# KiCad board Amber.kicad_pcb (continued)
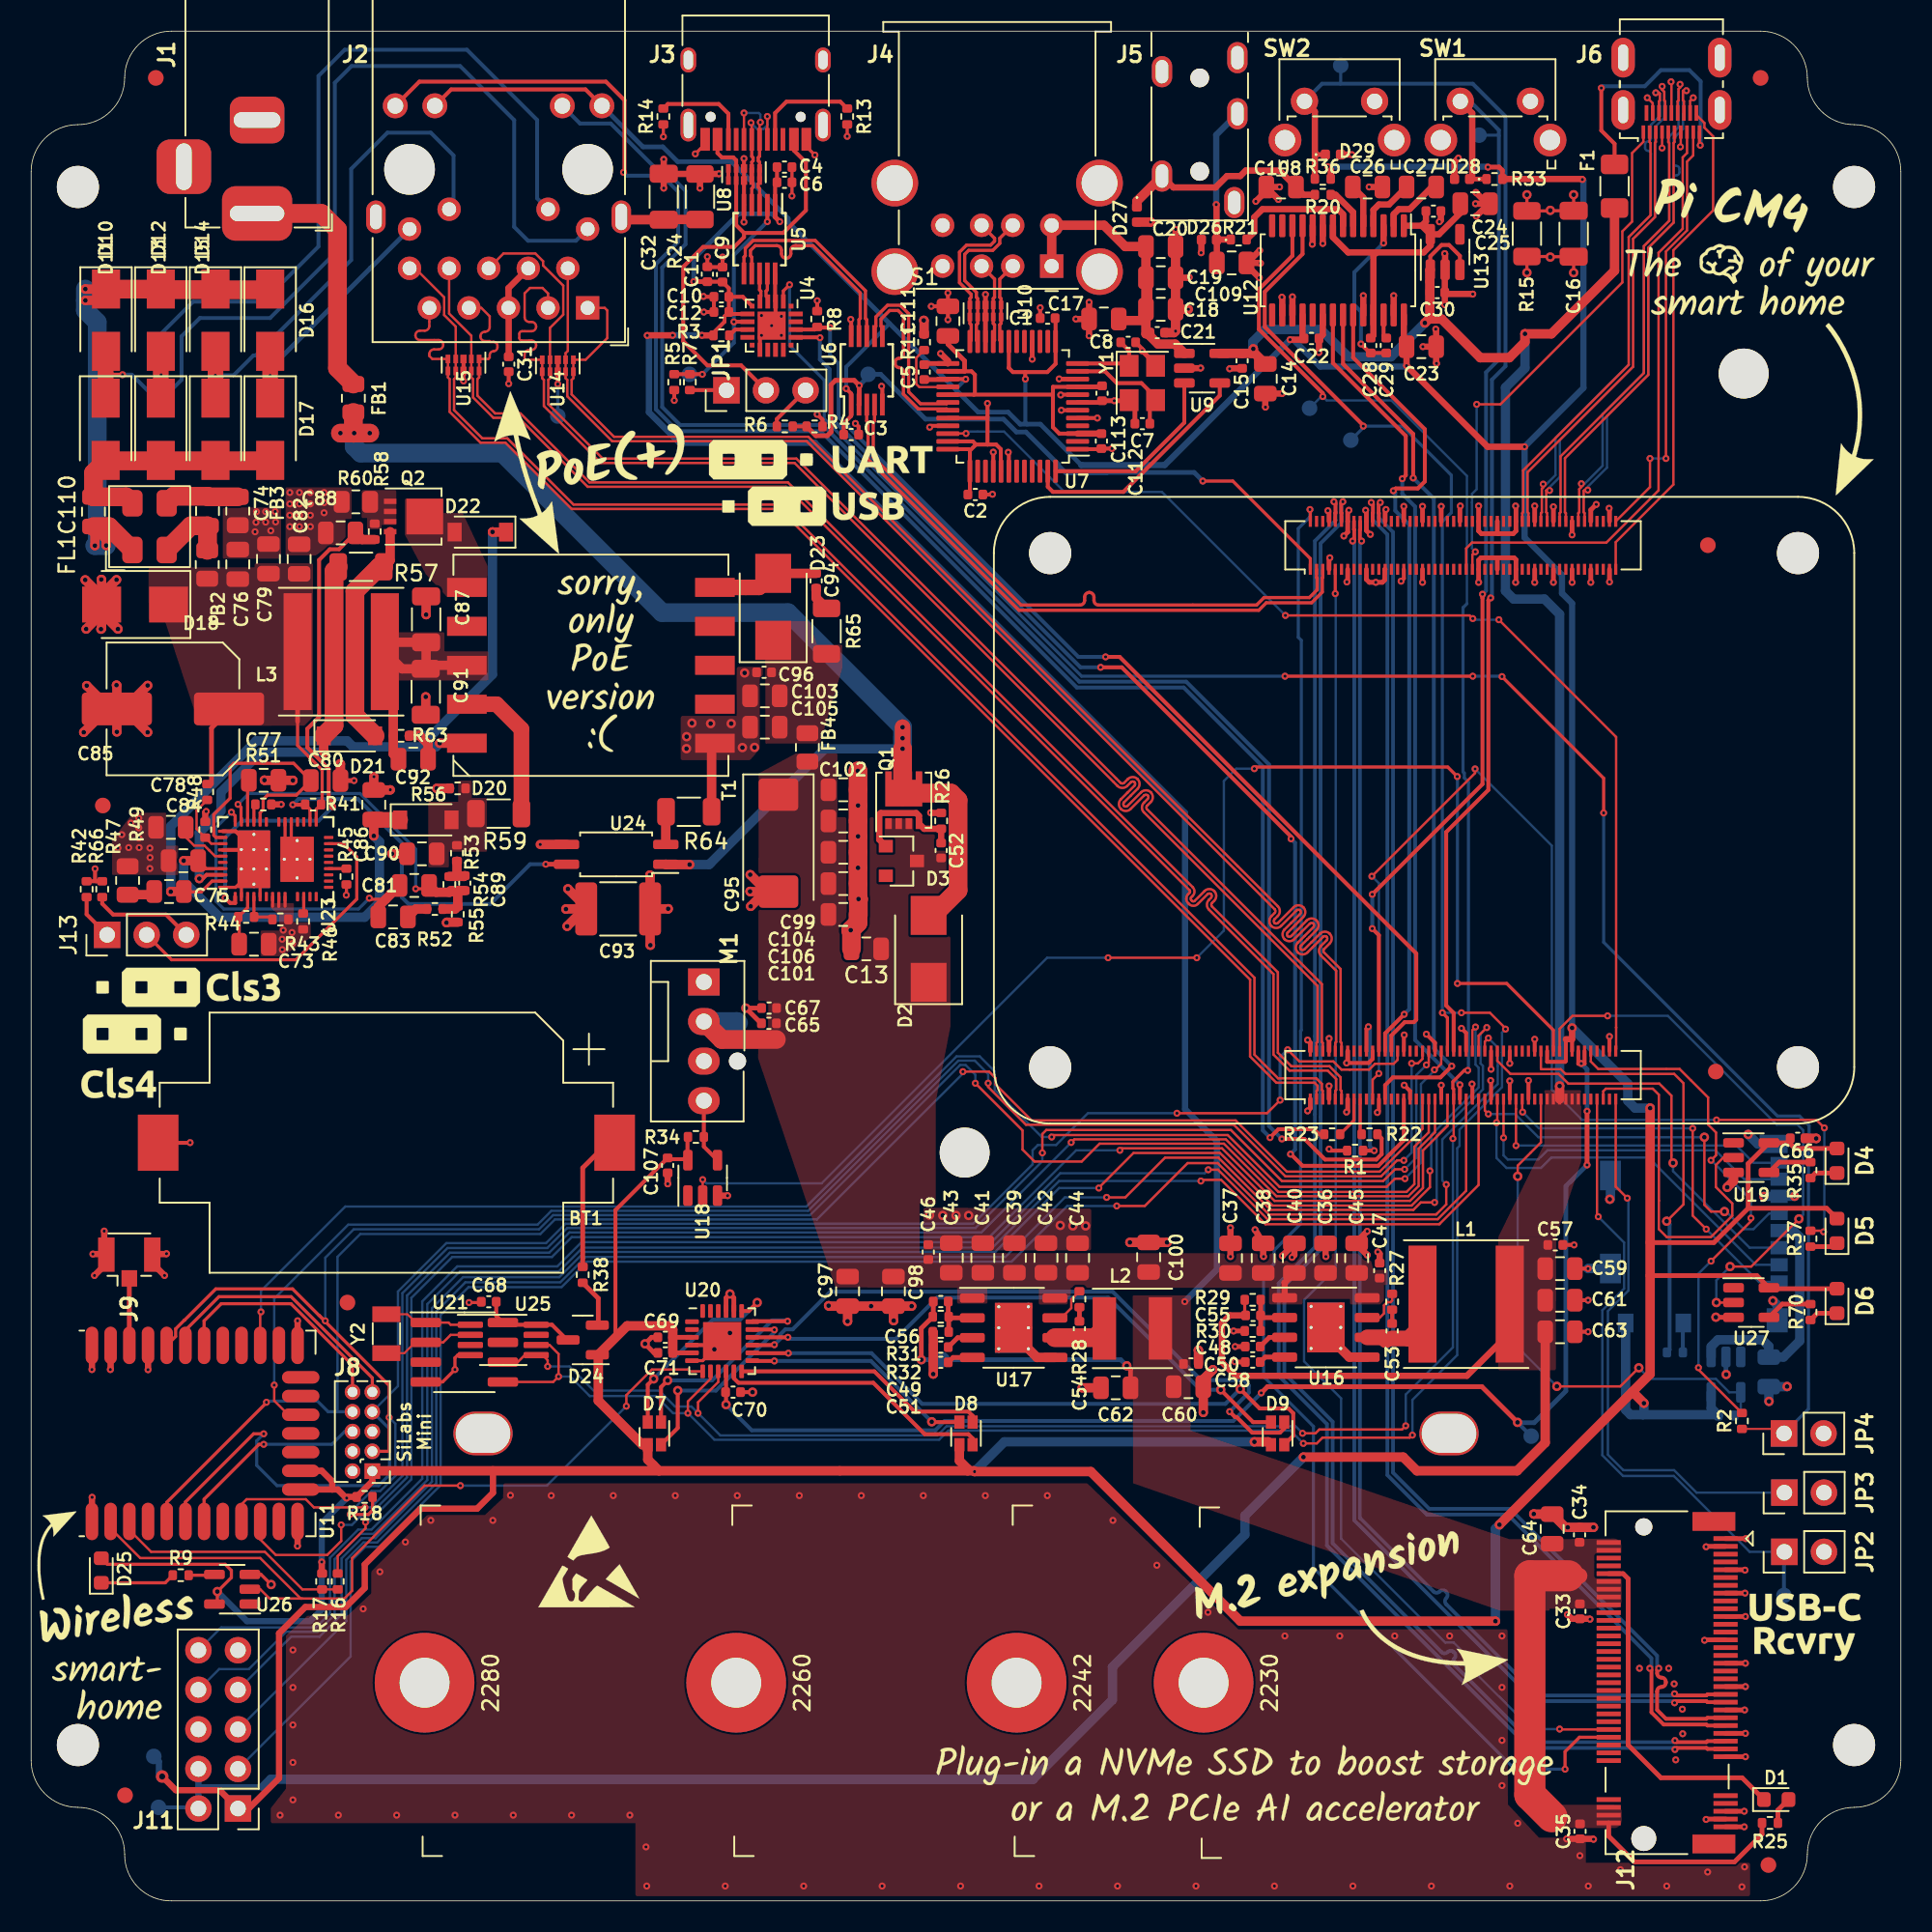
[diagram p0: board, top side]
## Routing (per net, layer and track width the routed paths; a pad name or vN(x,y) marks a point on that pad's centre or on a via; arc(x,y) is an arc through that point) (continued)
+3V3: length 517.2
  Top w0.2: U26.5 11.95,19.24 v1(11.95,19.85) 12.85,20.75 12.85,21.2 12.45,21.6 4.89,21.6 D25.2
  Top w0.25: 36.4,35.05 37.5,36.15 37.5,44.33 C107.1 ; v2(63.81,97.67) 63.8,97.68 63.8,98.12 ; R34.2 42.12,49 42.12,47.85 41.88,47.6 40.85,47.6 ; 63.8,98.12 65.22,98.12 65.75,98.65 U7.13 65.75,101.55 C1.1 ; 63.8,98.12 63.01,98.12 62.74,98.39 62.75,98.4 U7.19 ; U7.32 61.31,95.17 61.38,95.24 ; v2(59.98,97.66) 59.97,97.67 U7.27 ; 61.38,93.47 61.93,93.47 62.23,93.17 62.23,91.77 U7.41 ; 61.38,93.47 60.64,93.47 ; 61.38,93.47 61.38,95.24 ; J2.17 26.96,116.26 35.58,116.26 J2.15 ; C3.1 52.15,94.82 52.63,95.3 U6.1 52.63,96.74 v2(52.31,97.06) ; C2.1 60.25,90.39 U7.37 60.25,93.08 ; 60.64,93.47 60.25,93.08 ; 60.64,93.47 60.44,93.67 U7.35 ; 61.38,95.24 v2(61.38,96.11) ; U7.36 60.16,93.17 60.25,93.08 ; 98.5,55.3 U1.84 98.5,53.9 98.45,53.85 97.3,53.85 U1.78 ; 98.9,55.3 U1.86
  Top w0.3: 112.84,48.65 113.21,48.29 D4.2 ; 112.84,48.65 112.9,48.7 C66.1 ; 112.84,48.65 U19.5 110.2,47.31 110.2,44.45 ; 110.2,44.45 115.24,44.45 D5.2 ; 110.2,44.45 108,42.25 103.91,42.25 ; v2(93.5,111.28) 94.22,111.28 94.43,111.06 R33.2 ; 103.91,40.13 110.76,40.13 U27.5 111.6,39.29 D6.2 ; C69.1 U20.3 ; C71.1 U20.5 ; C5.1 58.81,97.64 U7.27
  Top w0.4: 29.64,27.6 29.64,26.19 28.62,25.17 24.99,25.17 21.41,21.59 21.41,20.08 20.19,18.86 17.6,18.86 15.91,17.17 15.91,7.87 13.97,5.93 J11.1 12.1,7.1 9.29,7.1 v3(8.41,7.98) ; R17.2 18.65,21.03 v2(18.65,21.75) ; 19.33,26.4 19.33,26.92 18.65,27.6 U11.14 ; 19.33,26.4 U11.13 ; 19.33,26.4 19.67,26.4 20.23,25.85 v2(20.25,25.85) 20.33,25.92 R18.2 21.9,26.93 J8.1 ; v2(99.56,110.48) 99.53,110.51 R33.2 ; U12.18 81.6,100.37 C22.1 81.62,100.2 v2(80.8,100.2) ; v2(83.22,111.3) 83.41,111.12 R36.2 ; v1(98.9,56.03) 98.9,55.3 98.5,55.3 ; v2(95.85,93.33) 93.47,93.33 v2(88.28,98.53) 88.28,99.75 88.1,99.92 U12.28
  Top w0.6: D8.4 59.58,28.25 60.1,27.72 60.1,27.6 ; 102.75,32.65 102.8,32.65 v1(103.51,31.94) ; 102.75,32.65 103.91,33.81 v1(103.91,50.88) ; 102.75,32.65 v1(94.24,24.14) ; D9.4 79.39,29.46 v1(78.51,29.46) ; 40.3,27.6 60.1,27.6 ; 40.3,27.6 39.58,28.33 D7.4 39.22,29.28 36.4,32.1 36.4,35.05 38.26,36.91 40.94,36.91 41.18,36.67 C69.1 C71.1 ; 40.3,27.6 21.91,27.6 J8.1 ; 60.1,27.6 60.5,27.6 v2(60.55,27.55) 68.01,27.55 77.61,17.95 v1(93.98,17.95)
  Bottom w0.25: v2(52.31,97.06) 52.31,98.45 55.1,101.24 ; 61.47,95.55 61.38,95.64 v2(61.38,96.11) ; 59.35,96.98 59.35,97.03 v2(59.98,97.66) ; 63.92,94.78 63.81,94.89 v2(63.81,97.67)
  Bottom w0.3: 67.4,92.15 64.78,94.78 63.47,94.78 62.7,95.55 60.78,95.55 48.58,107.75 48.58,107.98 44.94,111.62 41.49,111.62 40.54,112.58 39.27,112.58 J2.15
  Bottom w0.4: v2(20.25,25.85) 18.65,24.25 v2(18.65,21.75) 18.65,18.7 17.9,17.95 13.85,17.95 v1(11.95,19.85) ; 67.4,92.15 67.4,92.15 72.75,92.15 v2(80.8,100.2) 81.01,100.2 82.74,98.47 88.22,98.47 v2(88.28,98.53) ; v2(83.22,111.3) 93.47,111.3 v2(93.5,111.28) ; v1(98.9,56.03) 98.9,83.28 98.25,83.92 98.25,85.1 95.85,87.5 v2(95.85,93.33) 99.63,97.1 99.63,110.41 v2(99.56,110.48) ; TP6.1 8.2,8.94 8.2,8.19 v3(8.41,7.98)
  Bottom w0.6: v1(94.24,24.14) 93.98,23.88 v1(93.98,17.95) ; 103.45,31.2 102.65,31.2 102.34,31.51 102.34,37.08 ; 103.45,31.2 103.51,31.26 v1(103.51,31.94) ; 103.45,31.2 108.24,31.2 R40.1 107.82,31.61 107.82,32.64 ; v1(78.51,29.46) 62.46,29.46 v2(60.55,27.55) ; v1(98.9,56.03) 102.47,52.45 102.47,51.35 102.94,50.88 v1(103.91,50.88)
+5V: length 232.6
  Top w0.2: C55.1 77.89,37.63 R29.2
  Top w0.25: U13.3 91.7,105.58 91,106.28 90.53,106.28 89.8,105.55 U13.1
  Top w0.4: 95.05,36.6 92.15,33.7 77.3,33.7 76.42,34.58 76.42,37.08 76.92,37.58 C55.1
  Top w0.6: U9.5 C15.2 78.35,99.32 78.44,99.41 ; 78.44,99.41 v1(78.44,99.61) ; 78.44,99.41 C14.2 ; v1(81.66,28.48) 88.06,28.48 88.94,27.6 95.37,27.6 97.17,29.41 C63.1 ; F1.1 101.62,104.62 97.58,100.58 v1(95.88,100.58) 95.88,100.05 94.87,99.04 93.01,99.04 90.52,101.53 89.7,101.53 ; U1.81 v1(98.1,52.3) ; v1(89.45,101.28) 89.77,101.59 89.77,104.66 U13.1
  Bottom w0.25: J11.2 10.66,6 TP9.1
  Bottom w0.4: 10.73,7.24 10.79,7.29 14.87,7.29 14.91,7.33 ; 10.73,7.24 J11.4 ; 10.73,7.24 J11.2
  Bottom w0.6: 14.91,7.33 15.38,7.8 64.3,7.8 69.4,12.9 69.4,15 77.9,23.5 77.9,24.72 v1(81.66,28.48) ; v1(95.88,100.58) 95.88,98.38 94.62,97.12 94.62,84.08 95.15,83.55 97.12,83.55 98.1,82.58 v1(98.1,52.3) ; v1(78.44,99.61) 78.41,99.64 78.41,100.06 79.2,100.85 82.77,100.85 84.53,99.1 87.28,99.1 v1(89.45,101.28)
+12V: length 9.2
  Top w0.4: U16.1 80.45,39.67 C40.1
  Top w1.2: 43.17,56.44 44.33,55.28 47.83,55.28
  Bottom w1.2: 43.17,56.44 45.31,56.44 TP8.1
+48V: length 21.8
  Top w0.2: L3.1 17.1,74.16 18.68,72.58 18.68,70.43 R41.1 18.3,70.05 U23.23
  Top w0.3: 17.1,75.7 L3.1 ; 11.58,71.68 11.58,75.28 12.98,76.67
/PoE/VCC: length 25.1
  Top w0.2: C84.1 11.23,66.25 U23.42
  Top w0.6: C86.1 v1(21.99,68.35) ; v1(9.79,66.76) C84.1
  Top w1: D20.1 22.01,69.38 C86.1
  Bottom w0.6: v1(9.79,66.76) 9.79,65.43 12.09,63.13 21.4,63.13 22.36,64.09 22.36,67.98 v1(21.99,68.35)
/USB/VBUS_{IN}: length 32.9
  Top w0.25: JP1.2 45.56,98.55 43.4,98.55 41.85,100.1 41.85,104.88 43.12,106.15 45.12,106.15 45.75,106.78 45.75,107.05 ; 45.75,107.05 45.25,107.55 U8.7 U8.4 45.25,111.71 45.06,111.9 44.33,111.9 44.05,112.17 J3.A9 ; 45.75,107.05 48.28,107.05 49.72,108.5 49.72,111.58 48.95,112.35 J3.A4
/USB/VBUS_{OUT}: length 23.4
  Top w0.4: C19.1 71.77,103.95 71.77,102.7 71.51,102.44 71.51,101.42
  Top w0.6: C18.1 71.55,100.58 71.62,100.65 C21.1 71.8,100.45 72.34,99.91 73.42,99.91 U9.1 ; C17.1 69.9,101.42 71.51,101.42 71.55,101.46 C19.1 C20.1 70.22,106.17 68.86,107.54 J4.5 J4.1
GND: length 341.2
  Top w0.15: J6.4 104.07,115.38 v2(103.72,115.72) ; v2(106.68,115.72) 106.47,115.53 J6.16 ; J6.13 105.88,112.6 v2(105.85,112.58) ; J6.7 v2(104.68,112.5) ; J6.10 105.28,116.72 v2(105.25,116.75)
  Top w0.2: U20.6 43.1,34.67 U20.25 ; U26.3 14.75,20.95 v1(15.4,20.3) ; v1(99,104.5) C16.2 97.53,105.53 v1(97.5,105.5) 97.46,105.54 R15.1 v1(96,104.5) ; J3.A1 49.75,112.6 v2(50.3,112.05) ; R14.1 v2(40.58,113.22) ; v2(48.83,109.42) 48.83,109.43 C6.2 C4.2 ; v2(42.62,112.12) 43.25,112.75 J3.A12 ; v2(28.1,38.4) 28.84,38.4 C68.2 ; U25.4 27.38,35.03 27.2,34.85 v2(27.2,34.1) 26.41,33.31 24.8,33.31 ; R13.1 v2(52.38,113.25)
  Top w0.25: C111.1 v2(58.84,103.2) ; C111.1 v2(57.77,102.34) ; C111.1 v2(58.84,101.48) ; v2(91.8,56) 92.1,55.7 U1.52 ; C59.2 v2(99.93,40.58) ; C2.2 61.68,90.26 v2(61.7,90.28) ; v2(85.35,99.92) 85.93,99.34 86.97,99.34 ; U1.71 v2(96.1,52.65) ; U7.5 v2(68.43,95.17) ; C63.2 v2(99.93,36.53) ; U7.1 68.65,93.17 C112.1 v2(69.37,93.21) ; v2(57.67,94.58) 57.76,94.67 U7.33 ; C61.2 v2(99.93,38.55) ; v2(87.92,84.7) 88.1,84.88 U1.131 ; v2(93.67,52.65) 93.7,52.62 U1.59 ; 7.69,48.65 10.19,48.65 v2(10.2,48.67) ; v2(52.6,101.5) 52.63,101.47 U6.10 ; v2(27.75,97.55) U15.8 U15.3 ; C1.2 v2(64.76,102.25) ; R8.1 v2(50.45,102.7) ; v2(45.75,107.75) U5.5 U8.8 U8.3 v2(45.75,111.83) ; U1.32 88.1,55.55 v2(88.12,55.58) ; v2(83.3,48.25) 83.4,48.15 R1.1 ; v2(86.4,50.6) 86.5,50.7 U1.23 ; C8.2 71.31,99.61 v2(71.31,99.48) ; U1.22 86.1,54.04 85.84,53.78 v2(84.42,53.78) ; U1.66 v2(94.9,53.75) ; v2(33.8,97.35) U14.8 U14.3 ; U7.8 66.1,96.67 v2(66.08,96.65) ; v2(54.58,97.21) 54.63,97.16 U6.5 ; U1.98 v2(101.3,55.47) ; U7.42 62.75,92.93 v2(62.71,92.97) ; v2(92.47,52.42) 92.5,52.4 U1.53 ; U7.6 v2(66.12,95.67) ; U1.33 88.5,51.97 v2(88.12,52.35) ; v2(50.45,95.41) 50.79,95.07 R4.2 ; v2(89.55,55.62) 90.1,55.07 U1.42 ; U1.65 v2(94.9,52.62) ; U1.43 v2(90.5,52.35) ; v2(43.17,101.97) C12.2 C10.2 43.17,102.95 v2(43.15,102.97) ; U5.10 47.75,102.67 U4.3 47.78,101.35 v2(47.53,101.1) ; U7.40 v2(61.75,92.98) ; v2(46.88,100.47) 46.78,100.38 U4.12 ; v1(46.3,32.65) C70.2 ; v2(52.9,94.82) 53.11,94.61 C3.2 ; U20.4 44.1,35.67 U20.25 ; C31.1 v2(30.65,97.38) ; U1.60 v2(93.7,53.38) ; v2(44.38,105.5) C9.2 43.42,104.86 C11.2 v2(43.4,105.53) ; R5.2 v2(41.28,96.3) ; C57.2 v2(99.03,42.1) ; U1.74 v2(96.5,55.3)
  Top w0.3: U1.191 v2(100.1,84.62) ; v2(110,21.22) 109.97,21.25 J12.9 ; Y1.4 72.17,98.62 v2(71.31,99.48) ; v2(61.25,103.1) U10.8 U10.3 U7.22 ; U1.107 83.3,86.15 v2(83.35,86.2) ; C7.2 70.84,95.95 Y1.2 70.43,96.28 v2(69.52,96.28) C113.1 68.62,96.17 U7.7 ; v2(84.42,50.62) 84.5,50.7 U1.13 ; U1.192 100.1,89.28 v2(100.45,89.62) ; v2(107.5,5.22) 107.53,5.25 J12.73 ; R32.1 57.87,35.57 C49.2 C51.2 ; C69.2 39.82,36.17 v1(39.4,35.75) 39.98,35.17 C71.2 ; U1.138 v2(89.3,89.5) ; U1.108 83.3,89.15 v2(83.22,89.22) ; v2(101.28,89.38) 101.3,89.35 U1.198 ; v2(86.95,89.3) 86.9,89.25 U1.126 ; J12.39 v2(110.03,13.75) ; U7.10 65.99,97.67 v2(65.98,97.68) ; C50.2 77.28,34.58 ; U1.144 v2(90.5,89.5) ; 94.08,86.2 94.1,86.17 U1.161 ; 94.08,86.2 93.05,86.2 92.9,86.05 U1.155 v2(92.9,84.62) ; 94.08,86.2 95.17,86.2 95.3,86.08 U1.167 95.3,84.65 v2(95.28,84.62) ; J12.51 v2(110.03,10.75) ; U27.3 108.14,37.45 v1(108.13,37.46) ; v2(84.25,87.6) 84.5,87.85 U1.114 84.5,89.17 v2(84.58,89.25) ; 94.15,87.75 93.08,87.75 92.9,87.92 U1.156 v2(92.9,89.53) ; 94.15,87.75 95.12,87.75 95.3,87.92 U1.168 95.3,89.5 v2(95.28,89.53) ; 94.15,87.75 94.1,87.8 U1.162 ; v2(91.72,89.53) 91.7,89.5 U1.150 ; U20.21 44.6,38.7 v1(44.85,38.95) 45.1,38.7 U20.20 ; C48.2 v2(77.28,35.58) ; v2(85.65,89.25) 85.7,89.2 U1.120 85.7,87.95 v2(85.95,87.7) ; U1.7 83.3,52.3 v2(83.3,52.3) ; U1.180 v2(97.7,89.47) ; R30.1 v2(77.17,36.58) ; U1.113 84.5,84.7 v2(84.45,84.65) ; C67.2 45.88,57.3 v1(45.87,57.3) 46.85,56.32 C65.2 ; v2(83.3,55.35) 83.3,55.35 U1.8 ; J12.75 v2(109.95,4.75) ; v2(84.42,53.78) 84.5,53.85 U1.14 ; U1.125 86.89,85.46 86.88,85.45 86.88,84.78 86.72,84.62 v2(86.3,84.62) 85.89,84.62 85.7,84.81 U1.119 ; U7.25 57.39,98.67 C5.2 ; U1.174 v2(96.5,89.53) ; J12.57 v2(110.03,9.25) ; U1.1 82.1,50.88 v2(81.92,50.7) ; J12.3 107.53,22.75 v2(107.5,22.72) ; U1.179 v2(97.7,84.62) ; U1.2 82.1,55.08 v2(81.92,55.25) ; J12.15 v2(110,19.75) ; J12.27 107.43,16.75 v2(107.4,16.72) ; U1.137 v2(89.3,84.62) ; J12.33 v2(110.03,15.25) ; U7.16 v2(64.25,98.95) ; U1.185 v2(98.9,84.62) ; U1.173 v2(96.5,84.62) ; J12.1 v2(110.05,23.25) ; U1.197 v2(101.3,84.65) ; J12.21 v2(110.03,18.25) ; U1.186 v2(98.9,87.67) ; J12.45 v2(109.97,12.25) ; U1.132 v2(88.1,89.5) ; J12.71 v2(109.95,5.75)
  Top w0.4: C23.2 90.17,98.7 v2(90.2,98.67) ; C23.2 v2(89.33,99.75) ; C23.2 90.17,100.85 v2(90.15,100.88) ; 85.08,42.13 v2(85.75,41.45) ; v2(80.12,110) 79.28,110 79.28,109.75 v2(78.6,109.08) ; C32.2 v2(40.6,111.78) ; C32.2 v2(40.6,109.92) ; C32.2 40.61,110.84 R24.1 ; C40.2 81.08,41.45 v2(80.92,41.3) ; v2(80.28,102.92) 80.3,102.9 U12.16 ; R24.1 44.14,110.84 v2(44.15,110.85) ; R24.1 v2(42.92,109.92) ; U7.25 58.84,98.84 v2(58.37,99.31) ; v2(80.3,96.75) 80.29,96.74 C14.1 79.21,95.88 v2(79.22,95.87) ; v2(82.65,99.38) 82.66,99.38 C22.2 82.9,100.52 U12.20 ; 79.28,109.97 v2(80.05,109.2) ; v2(85.75,42.97) 85.08,42.3 85.08,42.05 ; v2(90.72,102.45) 90.73,102.45 C30.2 ; v2(8.69,41.54) 8.66,41.51 7.79,41.51 7.79,40.91 v2(8.56,40.14) ; C17.2 v2(67.9,102.6) ; C17.2 v2(67.05,101.53) ; C17.2 v2(67.9,100.45) ; D26.2 75.11,105.8 v2(75.09,105.78) ; v2(76.97,43.2) C37.2 v2(76.97,41.35) ; v2(44.7,45.26) 44.7,45.26 U18.3 ; U11.1 3.9,25.89 v2(3.91,25.9) ; v2(40.86,46.02) 40.85,46.01 40.85,46 C107.2 ; v2(92.53,103.12) 92.52,103.13 90.82,103.13 C30.2 ; U11.12 17.1,22.78 v2(17.09,22.77) ; U11.20 v2(17.1,37.23) ; v2(74.33,104.2) 74.3,104.17 C19.2 ; C30.2 90.73,104.67 U13.2 90.75,105.7 v2(90.72,105.72) ; v2(4.06,40.14) 4.84,40.91 4.84,41.51 v2(3.96,41.51) ; U11.28 v2(7.5,34.09) ; v2(84.77,112.07) 84.76,112.08 D29.2 ; C20.2 v2(73.45,107.28) ; 86.72,110 v2(85.88,110) ; 78.05,105.12 v2(78.85,105.92) ; U12.24 v2(85.5,103.03) ; R26.2 57.75,69.83 v2(57.73,69.84) ; v2(76.92,98.33) 76.95,98.36 C15.1 ; U12.3 v2(86.8,106.4) ; v2(78.9,105.1) 78.88,105.12 C109.2 78,105 v2(78.83,104.17) ; v2(83.1,41.35) 83.08,41.38 C36.2 ; U12.10 82.25,106.35 v2(82.22,106.33) ; C47.2 86.55,41.53 v2(86.43,41.65) ; v2(79.1,41.35) 79.08,41.38 C38.2 v2(78.55,43.08) ; 93.55,108.92 v2(92.75,108.12) ; 93.45,108.92 v2(92.72,109.65) ; U12.27 v2(87.45,103.03) ; 4.69,41.51 v2(4.69,42.99) ; v2(98.6,18.38) 98.88,18.1 C33.2 100.03,18.1 v2(100.05,18.07) ; v2(100.28,3.95) 100.25,3.98 C35.2 98.56,3.98 v2(98.55,3.97) ; U11.31 v2(3.9,34.1) ; U12.17 v2(80.95,102.95) ; v2(92.7,108.92) C25.2 ; U9.2 75.05,98.37 v2(75.06,98.38) ; v2(91.6,111.85) 91.36,111.61 D28.2 ; 81.08,42.17 v2(80.3,41.4) ; v2(90.38,107.77) 90.48,107.87 C24.2 ; v2(5.08,34.1) 5.1,34.12 U11.30 ; U12.9 v2(82.9,106.38)
  Top w0.6: v1(75.85,34.09) 75.23,33.47 C60.2 v1(75.23,31.35) ; C97.2 v1(52.4,37.2) ; C97.2 51.21,38.17 v1(51.18,38.2) ; C97.2 v1(53.91,38.17) C98.2 ; R64.2 43.67,74.09 T1.10 ; C21.2 73.35,100.65 v2(73.45,100.75) C18.2 ; C18.2 C19.2 C20.2 ; C18.2 v2(74.28,102.15) ; C95.2 47.12,64.78 v1(46.18,63.83) ; C95.2 46.16,64.78 v1(46.14,64.79) ; C95.2 47.23,64.78 v1(46.15,65.86) ; C93.2 40.88,63.67 v1(40.89,63.67) ; C93.2 39.72,61.36 v1(39.75,61.33) ; C93.2 39.72,65.83 v1(39.72,65.83) ; C66.2 114.56,48.94 v1(114.57,48.93) ; v1(108.86,45.8) 109.26,46.2 U19.3 ; C98.2 v1(56.51,38.17) ; C98.2 55.34,37.26 v1(55.36,37.24) ; v1(70.52,42.26) C100.2 v1(72.9,42.26) ; R32.1 57.9,36.48 C51.2 v1(57.9,33.81) ; U16.5 84.61,34.89 U16.9 ; R11.1 57.31,101.42 v1(57.29,101.44) ; v1(96.44,24.83) 96.45,24.82 C64.2 98.47,23.97 v1(98.62,23.97) C34.2 v1(100.27,23.97) ; v2(71.85,107.75) 71.85,107.75 D27.2 ; 64,35.43 64.56,34.88 65.7,34.88 ; v1(74.91,35.34) 74.92,35.33 C58.2 ; C62.2 v1(67.46,32.93)
  Top w1.2: 53.09,63.27 53.09,64.29 v1(53.1,64.3) 53.07,64.33 C106.2 v1(53.07,66.3) C99.2 v1(53.07,68.32) C104.2 v1(53.07,70.3) C102.2 53.07,72.51 v1(53.06,72.52) ; C101.2 53.07,62.77 v1(52.6,62.3) 52.65,62.25 C13.2
  Bottom w0.2: TP13.1 v2(33.8,97.35)
  Bottom w0.25: v2(85.35,99.92) 85.35,102 84.92,102.42 84.92,104.53 v2(86.8,106.4)
  Bottom w0.3: v1(108.79,33.78) 108.78,33.8 U22.2
  Bottom w0.6: 101.36,40.58 99.94,40.58 v2(99.93,40.58) ; v1(111.79,38.52) 112.06,38.24 J7.11 ; v1(113.18,45.22) J7.6 111.22,45.22 v1(111.21,45.21) ; v1(112.7,33.01) 112.69,33 C72.2 111.53,32.08 v1(111.54,32.06) ; J7.11 101.36,45.07 v1(101.32,45.03) ; J7.11 110.81,48.58 v1(110.2,49.19)
  vias: v1(42.07,74.72) v1(42.06,73.95) v1(42.41,75.59) v1(43.61,75.56) v1(43.85,35.4) v1(44.85,36.45) v1(44.93,75.56) v1(45.65,74.02) v1(45.79,78.81) v1(46.43,74.03) v1(57.66,44.01) v1(58.51,43.99) v1(59.36,43.99) v1(60.17,43.99) v1(66.05,43.35) v1(66.86,43.32) v1(67.68,43.32) v2(15.98,5.5) v2(16.8,16.1) v2(16.8,13.69) v2(16.8,11.29) v2(16.8,8.88) v2(16.8,6.48) v2(19.72,5.5) v2(21.31,18.74) v2(22.38,21.12) v2(23.46,5.5) v2(24.02,23.03) v2(25.65,24.42) v2(27.2,5.5) v2(29.63,24.42) v2(30.76,26.03) v2(30.94,5.5) v2(33.38,26.01) v2(34.68,5.5) v2(37.36,26.01) v2(38.43,5.5) v2(39.46,3.46) v2(39.51,0.95) v2(41.34,26.01) v2(44.55,0.95) v2(45.32,26.01) v2(46.88,101.75) v2(48.15,101.7) v2(48.15,100.47) v2(49.3,26.01) v2(49.58,0.95) v2(53.28,26.01) v2(54.62,0.95) v2(57.26,26.01) v2(59.65,0.95) v2(61.24,26.01) v2(64.69,0.95) v2(65.22,26.01) v2(69.43,24.42) v2(69.72,0.95) v2(72.25,21.54) v2(74.76,0.95) v2(75.53,18.52) v2(77.25,34.61) v2(79.8,0.95) v2(80.47,17) v2(83.99,17) v2(84.83,0.95) v2(87.52,17) v2(89.87,0.95) v2(91.04,17) v2(94.4,17) v2(94.4,13.7) v2(94.4,10.3) v2(94.4,7.4) v2(94.9,0.95) v2(95.41,4.98) v2(99.4,2.9) v2(99.94,0.95) v2(102,2) v2(103.22,14.93) v2(104.97,0.95) v2(105.1,14.93) v2(105.45,13.93) v2(105.55,9.05) v2(105.97,12.3) v2(106,10.72) v2(107.6,1.85) v2(109.8,0.9) v2(109.97,2.18)
GND1: length 45
  Top w0.2: U23.45 13.12,65.05 U23.46 ; U23.46 13.49,66.05 U23.2 ; U23.46 14.7,66.45 U23.5 ; U23.46 14.3,66.3 ; U23.8 15.9,63.82 ; U23.7 15.49,63.83 ; U23.9 16.3,63.83
  Top w0.25: U23.39 13.7,67.45 U23.46 ; U23.46 13.12,68.65 U23.36
  Top w0.3: C80.2 v2(20.73,71.9)
  Top w0.4: R49.2 11.17,69.86 v2(11.23,69.92) ; R51.2 v2(16.05,70.37)
  Top w0.6: v1(23.16,67.2) 23.16,67.2 C90.2 ; v1(3.38,75) 4.88,76.5 C85.2 ; v1(26.66,62.78) 26.69,62.81 R55.2 ; v2(23.05,71.31) 23.04,71.3 C86.2 21.99,72.14 v2(22,72.15) ; R56.2 v1(26.03,71.4) ; v1(3.56,78) 5.06,76.5 C85.2 ; C85.2 v1(5.5,75.03) ; C85.2 5.98,76.5 v1(7.48,75) ; C85.2 5.97,76.5 v1(7.48,78) ; C85.2 5.5,78 v1(5.48,78.03) ; v1(14.97,71.93) 14.98,71.92 C77.1 16.79,71.92 v1(16.8,71.91) ; C80.2 19.85,72.97 v2(19.83,72.99) ; v1(34.45,64.95) 35.62,63.78 C93.1 34.34,63.67 v1(34.33,63.65) ; 35.52,63.67 v1(34.4,62.55) ; C87.2 v1(25.35,82.55) ; C91.2 v1(25.33,77.28)
  vias: v2(5.57,67.57) v2(5.82,68.43) v2(6.26,67.6) v2(6.4,69.17) v2(6.91,69.48) v2(6.91,68.87) v2(6.91,68.22) v2(6.93,67.6) v2(7.62,67.57) v2(7.63,66.96) v2(7.62,66.26) v2(16.11,61.72) v2(16.12,61.05) v2(16.18,62.3) v2(16.6,90.39) v2(16.6,89.66) v2(16.6,88.93) v2(16.6,88.2) v2(16.74,62.15) v2(16.77,61.44) v2(17.22,90.39) v2(17.22,89.66) v2(17.22,88.93) v2(17.22,88.2) v2(17.92,90.39) v2(17.92,89.66) v2(17.92,88.93) v2(17.92,88.2) v2(18.8,90.39) v2(18.8,89.74) v2(18.8,89.09)
GNDS: length 20.2
  Top w0.2: R45.1 20.23,64.56 v2(20.23,64.55) ; U23.28 16.3,67.62 U23.47 ; U23.27 16.7,67.22
  Top w0.25: 4.17,65.44 R66.1 ; 4.17,65.44 4.1,65.51 v2(4.1,66.24) ; 4.17,65.44 R42.1
  Top w0.6: v1(4.48,81.62) 4.52,81.66 D18.2 ; v1(5.48,84.79) 4.52,83.83 D18.2 ; D18.2 4.52,83.73 v1(3.47,84.78) ; D18.2 4.52,82.68 v1(5.57,81.63) ; D18.2 4.52,84.79 v1(4.5,84.81) ; D18.2 4.52,82.62 v1(3.53,81.63) ; 4.15,82.5 4.1,82.55 ; U24.3 v2(32.67,67.8)
  vias: v2(14.43,88.48) v2(14.37,87.87) v2(14.46,89.16) v2(15.05,89.16) v2(15.05,88.49) v2(15.38,87.94) v2(15.66,89.17) v2(15.69,88.5)
/802.15.4 Radio/PB00: length 15.5
  Top w0.15: R16.2 R17.1 17.41,19.99 15,22.4 7.7,22.4 6.3,23.8 U11.3
/802.15.4 Radio/PTI_DATA: length 14.9
  Top w0.2: U11.25 11.1,37.22 12.2,38.33 16.67,38.33 20.62,34.37 J8.10
/802.15.4 Radio/PTI_FRAME: length 16.9
  Top w0.2: J8.9 21.9,33.57 16.69,38.78 12.05,38.78 9.9,36.62 U11.26
/802.15.4 Radio/Radio.CTS: length 96.8
  Top w0.15: v2(14.75,37.8) 14.7,37.75 U11.22 ; v2(65.5,49.03) 65.62,49.15 76.8,49.15 80.12,45.83 87,45.83 87.53,46.35 v2(88.17,46.35) ; U1.44 90.5,53.72 90.15,53.38
  Bottom w0.15: 90.15,53.38 89.2,52.42 89.2,47.38 v2(88.17,46.35) ; v2(65.5,49.03) 64.86,49.03 61.85,52.04 61.85,53.23 60.88,54.2 59.39,54.2 49.76,44.56 20.16,44.56 14.75,39.15 v2(14.75,37.8)
  vias: v2(90.06,53.34)
/802.15.4 Radio/Radio.RTS: length 99.2
  Top w0.15: U11.17 16.5,31.2 15.6,32.1 v2(15.6,33.1) ; v2(88.6,53.75) 89.01,53.75 89.3,54.04 U1.38 ; v2(88.1,47.53) 87.67,47.53 86.64,46.5 80.5,46.5 77.19,49.81 63.85,49.81 61.42,52.24 v2(61.42,52.48)
  Bottom w0.15: v2(88.1,47.53) 88.6,48.03 v2(88.6,53.75) ; v2(15.6,33.1) 15.6,38.65 20.35,43.4 32.5,43.4 33.39,44.29 49.87,44.29 59.51,53.92 60.57,53.92 61.42,53.07 61.42,52.48 v2(61.42,52.48)
/802.15.4 Radio/Radio.RXD: length 103.9
  Top w0.15: v2(64.9,48.01) 64.9,49.22 65.16,49.47 77,49.47 80.28,46.2 86.78,46.2 87.53,46.95 v2(88.15,46.95) ; U1.40 89.7,53.8 v2(89.55,53.65) ; v2(21.42,25.25) 18.15,25.25 17.62,25.78 13.83,25.78 13.5,25.45 U11.9
  Bottom w0.15: v2(89.55,53.65) 88.9,53 88.9,47.7 v2(88.15,46.95) ; v2(21.42,25.25) 21.8,25.25 23.83,27.28 23.83,39 26.73,41.9 33.12,41.9 34.41,43.18 60.61,43.18 64.9,47.47 v2(64.9,48.01)
/802.15.4 Radio/Radio.SWCLK: length 106.7
  Top w0.15: U1.37 89.3,49.55 86.55,46.8 80.59,46.8 77.3,50.09 64.21,50.09 61.9,52.4 61.9,52.8 61.48,53.22 v2(59.8,53.22)
  Top w0.2: v2(15.1,32) 15.1,31.97 8.7,25.58 U11.5
  Bottom w0.15: 19.66,31.39 19.66,41.33 21.12,42.8 32.68,42.8 33.62,43.73 50.43,43.73 59.8,53.1 v2(59.8,53.22)
  Bottom w0.2: J8.8 19.06,31.39 18.38,32.08 15.17,32.08 v2(15.1,32)
/802.15.4 Radio/Radio.SWDIO: length 106.6
  Top w0.15: U1.30 87.7,53.97 87.45,53.72 86.25,53.72 85.87,53.35 84.63,53.35 84.63,53.35 84.1,53.35 83.58,53.88 81.4,53.88 v2(80.65,54.62) ; v2(80.16,51.39) 79.32,50.55 73.54,50.55 v2(73.54,50.55)
  Top w0.2: v2(14.92,29.97) 14.27,29.97 9.9,25.6 U11.6
  Bottom w0.15: v2(73.54,50.55) 73.54,50.55 67.82,50.55 65.78,48.51 64.61,48.51 64.27,48.17 64.27,47.27 60.46,43.46 34.29,43.46 33.05,42.21 26.65,42.21 23.54,39.11 23.54,33.03 J8.7
  Bottom w0.2: v2(14.92,29.97) 14.47,29.52 14.47,27.95 15.77,26.65 22.3,26.65 23,27.35 23,30.28 J8.7 ; v2(80.65,54.62) 80.16,54.14 v2(80.16,51.39)
/802.15.4 Radio/Radio.SWO: length 12.7
  Top w0.2: U11.7 11.1,25.78 14.62,29.3 v2(14.92,29.3)
  Bottom w0.2: v2(14.92,29.3) 19.3,29.3 20.12,30.12 J8.6
/802.15.4 Radio/Radio.TXD: length 101.6
  Top w0.15: U11.10 14.7,23.2 15.7,22.2 19,22.2 19.9,23.1 v2(19.9,24.13) ; U1.39 89.7,49.33 88.78,48.4 88.78,46 88.28,45.5 80.05,45.5 76.68,48.87 66.95,48.87 v2(66.75,48.67)
  Bottom w0.15: v2(19.9,24.13) 20.59,24.13 21.21,24.75 21.69,24.75 24.12,27.18 24.12,38.85 26.88,41.6 33.25,41.6 34.55,42.9 60.98,42.9 66.75,48.67
/802.15.4 Radio/Radio.~{BOOT}: length 96.8
  Top w0.15: v2(21.46,24.3) 21.46,23.92 19.67,22.13 R16.1 ; U1.45 90.9,49.73 89.33,48.16 89.33,45.75 88.5,44.92 79.8,44.92 76.42,48.3 70,48.3 v2(69.88,48.17)
  Bottom w0.15: v2(21.46,24.3) 21.65,24.3 24.4,27.05 24.4,38.7 27.02,41.32 33.42,41.32 34.7,42.6 61.5,42.6 67.07,48.17 v2(69.88,48.17)
/802.15.4 Radio/Radio.~{RESET}: length 127.2
  Top w0.15: U1.41 90.1,49.32 89.05,48.28 89.05,45.89 88.39,45.22 79.93,45.22 76.55,48.6 68.57,48.6 67.42,47.45 64.4,47.45 63.63,48.22 63.63,49.44 v2(60.6,52.47) ; v2(18.88,37.22) 18.52,37.58 18.48,37.58 ; v2(22.98,31.03) 22.98,32.33
  Top w0.2: U11.27 9.27,36.22 9.27,36.71 9.84,37.28 9.85,37.28 11.85,39.28 16.77,39.28 22.98,33.08 22.98,28.85 J8.3 ; R18.1 21.91,25.11 21.9,25.1 21.9,25.06 21.64,24.8 v2(20.48,24.8)
  Bottom w0.15: v2(22.98,31.03) 23.38,30.62 23.38,27.28 22.4,26.3 21.84,26.3 20.48,24.93 v2(20.48,24.8) ; v2(60.6,52.47) 60.6,53.02 59.98,53.65 59.62,53.65 49.99,44.01 33.5,44.01 32.59,43.1 20.7,43.1 18.88,41.28 v2(18.88,37.22)
/802.15.4 Radio/RF_SIGNAL: length 4.3
  Top w0.3: U11.29 J9.1
/802.15.4 Radio/~{LED_RADIO}: length 51.7
  Top w0.15: U20.7 42.27,33.98 42.15,34.1 39.84,34.1 38.2,32.46 v2(38.2,31.75) ; U11.2 5.1,23.9 7,22 14.7,22 17.3,19.4 17.4,19.4 ; v2(27.55,26.65) 25.25,26.65 20.6,22 20.6,19.9 20.1,19.4 17.4,19.4 ; 17.4,19.4 15.3,19.4 14.7,20 U26.2
  Bottom w0.15: v2(38.2,31.75) 33.1,26.65 v2(27.55,26.65)
/Audio/I2S.CLK: length 53.9
  Top w0.25: v2(91.7,52.38) U1.49 ; v2(88,91.28) 88.22,91.5 88.22,94.03 83.55,98.7 U12.21
  Bottom w0.25: v2(91.7,52.38) 88.82,55.25 88.82,89.48 88,90.31 v2(88,91.28)
/Audio/I2S.DIN: length 56.8
  Top w0.25: U1.25 86.9,52.35 87.4,52.85 90.45,52.85 v2(91.17,53.57) ; U12.22 84.2,98.65 88.7,94.15 v2(88.7,91.33)
  Bottom w0.25: v2(88.7,91.33) 90.02,90 90.02,54.73 v2(91.17,53.57)
/Audio/I2S.FS: length 51.9
  Top w0.25: v2(87.42,90.5) 87.58,90.65 89,90.65 89.45,91.1 89.45,94.45 84.85,99.05 U12.23 ; U1.26 86.9,55.67 v2(88.12,56.9)
  Bottom w0.25: v2(87.42,90.5) 87.55,90.38 87.55,89.22 88.45,88.33 88.45,57.22 v2(88.12,56.9)
/CM4/CM4_DBG.RX: length 66.9
  Top w0.25: U4.18 50.28,100.85 R8.2 50.49,100.97 v2(51.28,100.97) ; v2(68.96,79.84) 69.86,79.84 88.9,60.8 88.9,56.55 88.75,56.4 88.15,56.4 87.3,55.54 U1.28
  Bottom w0.25: v2(68.96,79.84) 67.21,79.84 51.83,95.22 51.83,98.65 51.28,99.2 v2(51.28,100.97)
/CM4/CM4_DBG.TX: length 79.2
  Top w0.25: v2(68.64,79.17) 70,79.17 80.86,68.3 v2(80.86,68.16) ; U1.31 88.1,48.81 86.46,47.17 81.6,47.17 80.9,47.88 80.88,47.88 v2(80.83,47.92) ; v2(50.62,100.33) 50.6,100.35 U4.17
  Bottom w0.25: v2(80.86,68.16) 81.12,67.9 81.12,48.22 v2(80.83,47.92) ; v2(50.62,100.33) 50.62,98.92 51.25,98.3 51.25,95.27 67.35,79.17 v2(68.64,79.17)
/CM4/CM4_USB_D+: length 38.7
  Top w0.206: U6.3 53.63,94.98 53.71,94.9 53.71,92.52 63.4,82.83 78.79,82.83 79.27,83.31 82.18,83.31 82.87,84 82.87,84.9 82.9,84.93 U1.105
/CM4/CM4_USB_D-: length 38.7
  Top w0.206: U1.103 82.5,84.93 82.53,84.9 82.53,84.14 82.04,83.65 79.13,83.65 78.65,83.17 68.51,83.17 arc(68.3,83.25) 68.21,83.47 68.21,83.68 arc(68.13,83.89) 67.91,83.98 arc(67.7,83.89) 67.61,83.68 67.61,83.47 arc(67.53,83.25) 67.31,83.17 63.54,83.17 54.05,92.66 54.05,94.9 54.13,94.98 U6.4
/CM4/CM4_USB_OTG_ID: length 44.1
  Top w0.2: U1.101 82.1,86.15 77.12,91.12 v2(75.2,91.12)
  Top w0.25: R6.2 R4.1
  Top w0.3: U6.2 53.15,96.05 v2(53.15,97.26) 52.82,97.59 51.62,97.59 51.34,97.31 51.34,94.27 51.1,94.03 50.37,94.03 R4.1
  Bottom w0.3: v2(53.15,97.26) 53.72,97.84 TP3.1 54.53,97.97 57.4,95.1 62.41,95.1 63.23,94.27 63.84,94.27 65.92,92.19 65.92,92.12 66.4,91.65 69.03,91.65 69.06,91.68 74.65,91.68 v2(75.2,91.12)
/CM4/ETH.LED_GREEN: length 2.3
  Top w0.2: R22.1 85.3,49.29 U1.17
/CM4/ETH.LED_YELLOW: length 2.6
  Top w0.2: U1.15 84.89,51.45 84.89,50.08 R23.1
/CM4/ETH.TD1+: length 88.3
  Top w0.15: U14.10 U14.1 35.58,98.91 36.97,100.3 36.97,102.08 36.81,102.24 J2.1
  Top w0.154: U14.10 34.8,97.73 34.69,97.62 34.69,96.68 37.41,93.97 49.88,93.97 77.45,66.4 80.01,63.83 arc(80.14,63.52) 80.01,63.21 79.8,62.99 arc(79.75,62.88) 79.8,62.77 arc(79.91,62.72) 80.02,62.77 81.02,63.77 arc(81.34,63.9) 81.65,63.77 arc(81.78,63.46) 81.65,63.15 80.64,62.14 arc(80.6,62.03) 80.64,61.92 arc(80.76,61.87) 80.87,61.92 81.87,62.92 arc(82.18,63.05) 82.5,62.92 arc(82.62,62.61) 82.5,62.3 81.49,61.3 arc(81.45,61.18) 81.49,61.07 arc(81.61,61.02) 81.72,61.07 82.72,62.07 arc(83.03,62.2) 83.34,62.07 arc(83.47,61.76) 83.34,61.45 82.98,61.09 arc(82.94,60.98) 82.98,60.86 84.04,59.81 84.04,55.12 84.1,55.07 U1.12